# Altium PCB PCB_Raspberry_V4.PcbDoc
Units mm, origin at the board's own origin, x right, y up, seen from the top; angles counter-clockwise.
Board outline 92 x 96 mm, 2 copper layers (Top Layer, Bottom Layer), stack 1.611 mm thick; 81 components, 87 nets, 292 pads, 102 vias.
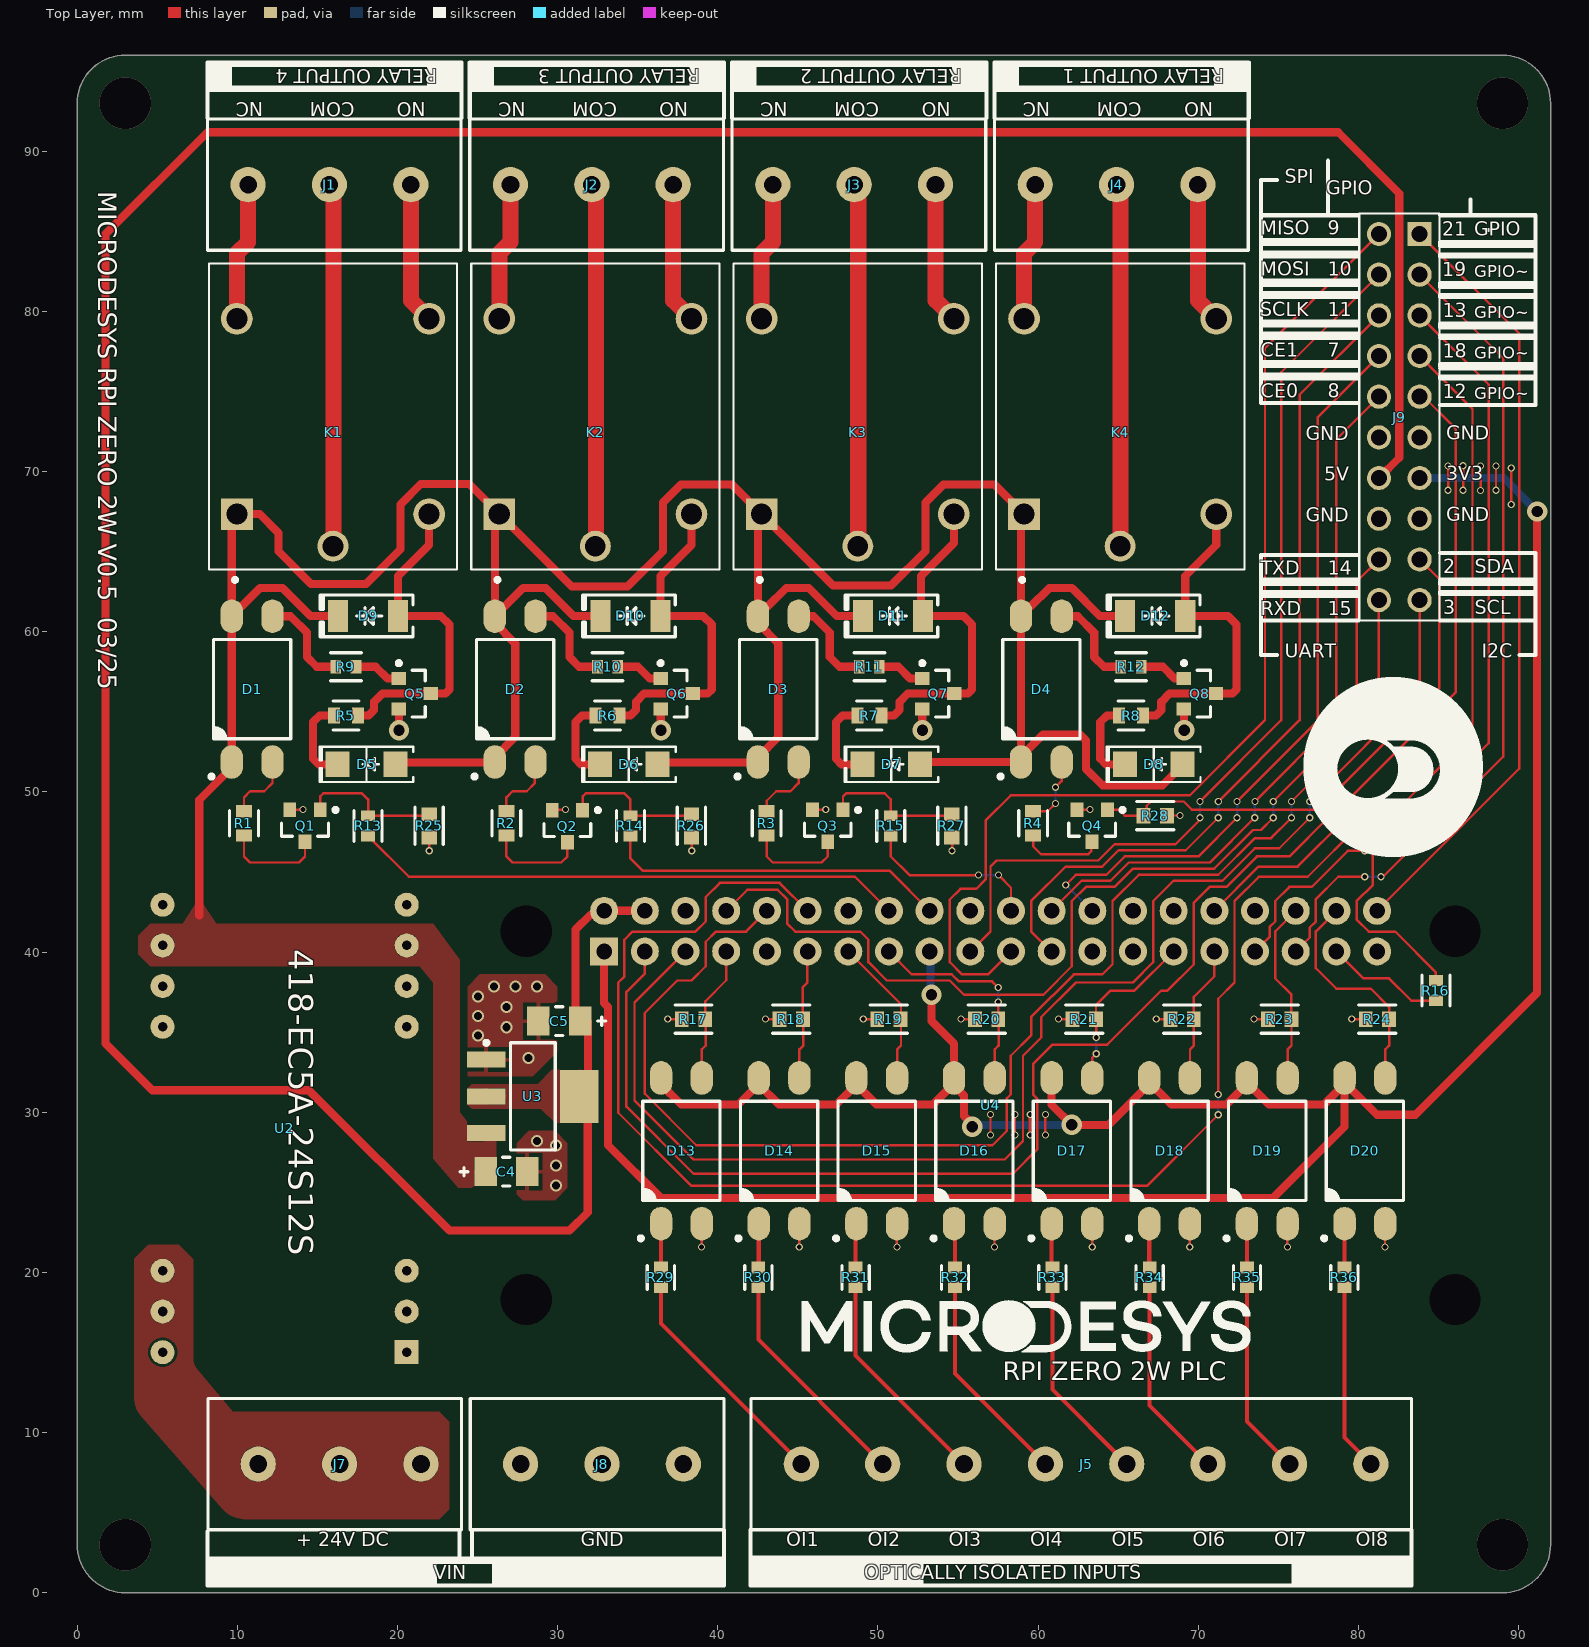
[diagram p0: Top Layer view]
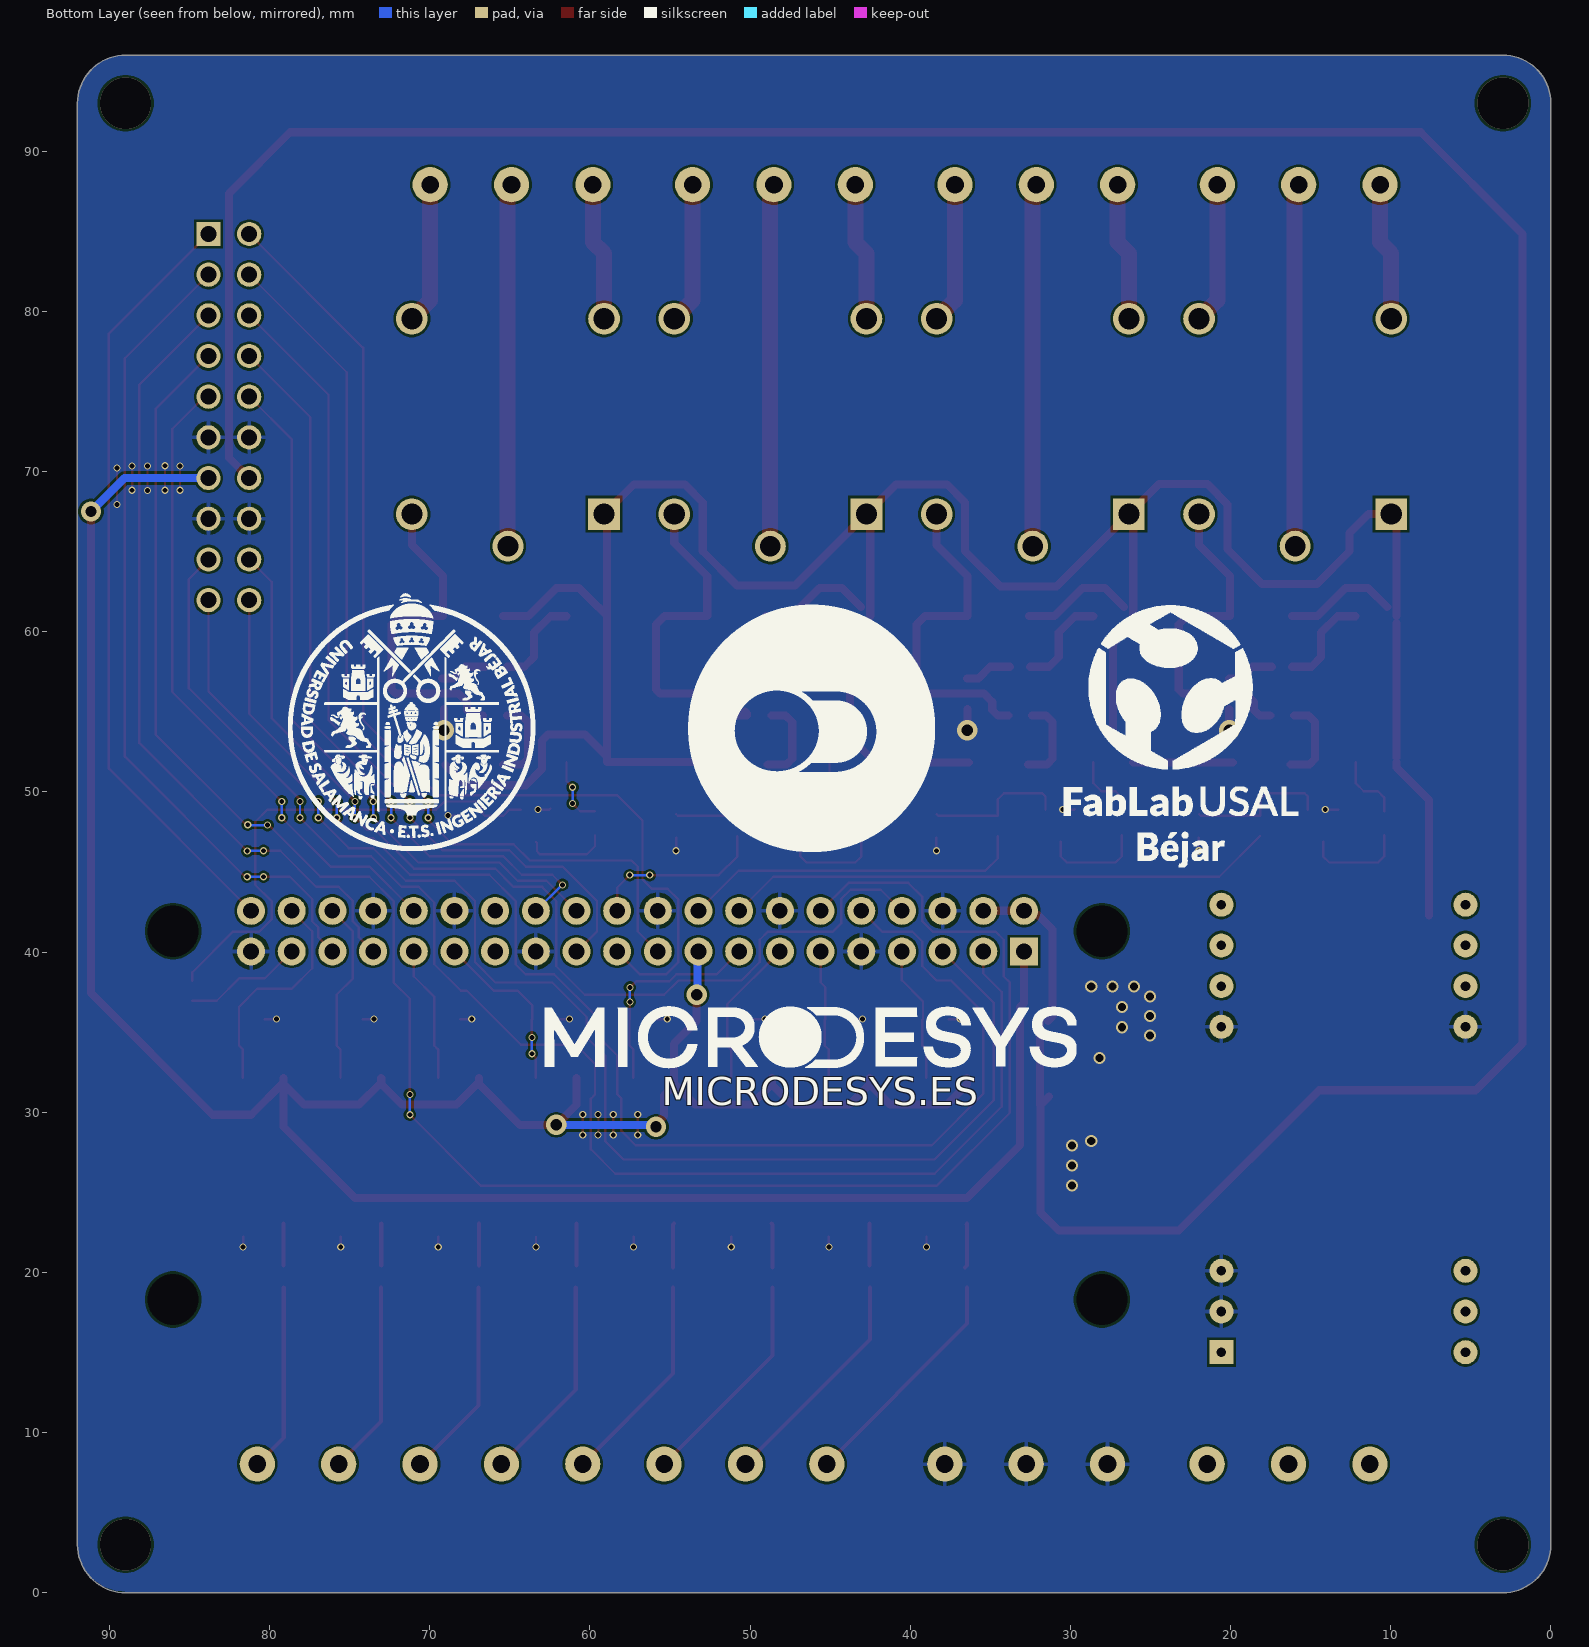
[diagram p1: Bottom Layer view, seen from below]
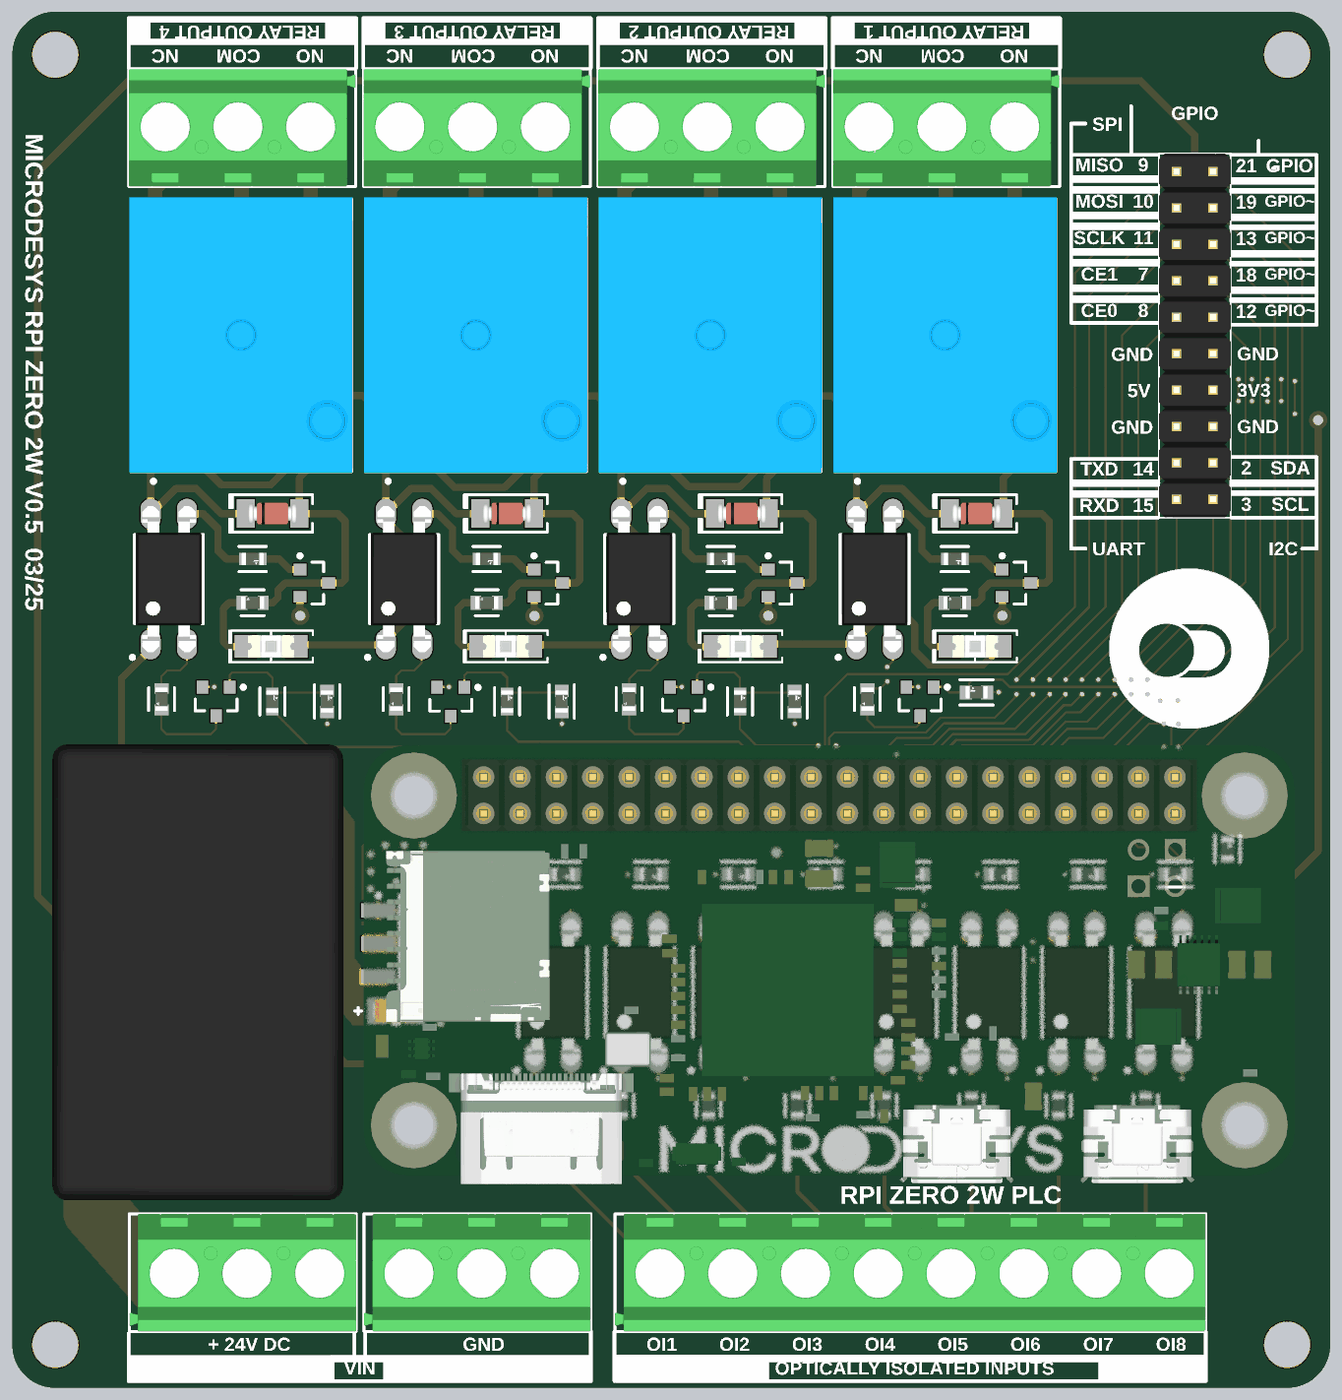
[diagram p2: 3D render of the assembled board from above, using the file's embedded part models]

## Layer stack, top to bottom
Top Solder: solder mask 0.0102, Solder Resist, Dk 3.5
Top Layer: signal copper 0.0356
Dielectric 1: dielectric 1.54, FR-4, Dk 4.8
Bottom Layer: signal copper 0.0356
Bottom Solder: solder mask 0.0102, Solder Resist, Dk 3.5

## Board outline
0,3 ccw(c3,3) 3,0 89,0 ccw(c89,3) 92,3 92,92.912 92,93 ccw(c89,93) 89,96 3,96 ccw(c3,93) 0,93

## Design rules (kind name [scope] priority, off if disabled: settings)
Clearance [All] p1: gap=0.15 ignorepadtopadclearanceinfootprint=FALSE
PolygonConnect PolygonConnect_GND [InNet('GND') vs InNet('GND')] p1: thpad.connectstyle=Relief thpad.reliefconductorwidth=0.254 thpad.reliefentries=4 thpad.polygonreliefangle="90 Angle" thpad.airgapwidth=0.254 smdpad.connectstyle=Relief smdpad.reliefconductorwidth=0.254 smdpad.reliefentries=4 smdpad.polygonreliefangle="90 Angle" smdpad.airgapwidth=0.254 via.connectstyle=Direct via.reliefconductorwidth=0.254 via.reliefentries=4 via.polygonreliefangle="90 Angle" via.airgapwidth=0.254
PolygonConnect PolygonConnect_PWR [InNetClass('PWR_24') vs InNetClass('PWR_24')] p2: connectstyle=Direct reliefconductorwidth=0.254 reliefentries=4 polygonreliefangle="90 Angle" airgapwidth=0.254
PolygonConnect PolygonConnect_Signal [InNetClass('Signal') vs InNetClass('Signal')] p3: connectstyle=Relief reliefconductorwidth=0.152 reliefentries=4 polygonreliefangle="90 Angle" airgapwidth=0.152
RoutingVias RoutingVias_Signal [InNetClass('Signal')] p1: holewidth=0.3 width=0.45 viastyle="Through Hole" minholewidth=0.3 minwidth=0.45 maxholewidth=0.3 maxwidth=0.45
RoutingVias RoutingVias_PWR [All] p2: holewidth=0.711 width=1.27 viastyle="Through Hole" minholewidth=0.711 minwidth=1.27 maxholewidth=0.711 maxwidth=1.27
RoutingVias RoutingVias_PWR_24 [InNetClass('PWR_24')] p3: holewidth=0.711 width=1.27 viastyle="Through Hole" minholewidth=0.711 minwidth=1.27 maxholewidth=0.711 maxwidth=1.27
SolderMaskExpansion [All] p1: expansion=0.102 istentingtop=FALSE
SupplyNets "Schematic Supply Nets_4" [InNet('3V3')] p1: voltage=0.000
SupplyNets "Schematic Supply Nets_3" [InNet('+24V')] p2: voltage=0.000
SupplyNets "Schematic Supply Nets_2" [InNet('+5V')] p3: voltage=0.000
SupplyNets "Schematic Supply Nets_1" [InNet('GND')] p4: voltage=0.000
SupplyNets "Schematic Supply Nets" [InNet('+12V')] p5: voltage=0.000
Width Width_5 [InNet('+5V')] p1: maxlimit=0.508 minlimit=0.508 preferedwidth=0.508
Width Width_3 [InNet('3V3')] p2: maxlimit=0.508 minlimit=0.508 preferedwidth=0.508
Width Width_Signal [InNetClass('Signal')] p3: maxlimit=0.15 minlimit=0.15 preferedwidth=0.15
Width Width_PWR [InNetClass('PWR')] p4: maxlimit=0.254 minlimit=0.254 preferedwidth=0.254
Width Width_PWR_24 [InNetClass('PWR_24')] p5: maxlimit=0.508 minlimit=0.508 preferedwidth=0.508
Width Width_Relay [InNetClass('Relay')] p6: maxlimit=1 minlimit=1 preferedwidth=1
30 further rules are at their usual default settings.

## Classes and differential pairs
net class PWR_24: +12V +24V NetD1_3 NetD2_3 NetD3_3 NetD4_3 NetD5_2 NetD6_2 NetD7_2 NetD8_2 NetD9_1 NetD10_1 NetD11_1 NetD12_1 NetQ5_1 NetQ6_1 NetQ7_1 NetQ8_1
net class PWR: IN1 IN2 IN3 IN4 IN5 IN6 IN7 IN8
net class Relay: COM1 COM2 COM3 COM4 NC1 NC2 NC3 NC4 NO1 NO2 NO3 NO4
net class Signal: CE0 CE1 DI1 DI2 DI3 DI4 DI5 MISO MOSI NetD1_2 NetD2_2 NetD3_2 NetD4_2 NetQ1_1 NetQ2_1 NetQ3_1 NetQ4_1 OI1 OI2 OI3 OI4 OI5 OI6 OI7 OI8 Rele1 Rele2 Rele3 Rele4 RXD SCL SCLK SDA TXD

## Components (designator, comment, footprint, x,y, rotation, side; value= is the part's Value field where it differs from the comment)
C4 "10uF" FP-TAJA-MFG 26.797,26.289 r180 top
C5 "10uF" FP-TAJA-MFG 30.099,35.687 r0 top
D1 "LTV-817S-TA" "LITEON LTV-817" 10.923,56.419 r90 top
D2 "LTV-817S-TA" "LITEON LTV-817" 27.348,56.419 r90 top
D3 "LTV-817S-TA" "LITEON LTV-817" 43.774,56.419 r90 top
D4 "LTV-817S-TA" "LITEON LTV-817" 60.199,56.419 r90 top
D5 "Red" "LED 1206_3216 RED" 18.065,51.72 r180 top
D6 "Red" "LED 1206_3216 RED" 34.448,51.72 r180 top
D7 "Red" "LED 1206_3216 RED" 50.831,51.72 r180 top
D8 "Red" "LED 1206_3216 RED" 67.214,51.72 r180 top
D9 "LL4148" "SOD-80 MiniMELF" 18.162,60.991 r180 top
D10 "LL4148" "SOD-80 MiniMELF" 34.545,60.991 r180 top
D11 "LL4148" "SOD-80 MiniMELF" 50.928,60.991 r180 top
D12 "LL4148" "SOD-80 MiniMELF" 67.311,60.991 r180 top
D13 "LTV-817S-TA" "LITEON LTV-817" 37.73,27.59 r90 top
D14 "LTV-817S-TA" "LITEON LTV-817" 43.826,27.59 r90 top
D15 "LTV-817S-TA" "LITEON LTV-817" 49.922,27.59 r90 top
D16 "LTV-817S-TA" "LITEON LTV-817" 56.018,27.59 r90 top
D17 "LTV-817S-TA" "LITEON LTV-817" 62.114,27.59 r90 top
D18 "LTV-817S-TA" "LITEON LTV-817" 68.21,27.59 r90 top
D19 "LTV-817S-TA" "LITEON LTV-817" 74.306,27.59 r90 top
D20 "LTV-817S-TA" "LITEON LTV-817" 80.402,27.59 r90 top
J1 "282837-3" "TE 282837-3" 15.749,87.915 r0 top
J2 "282837-3" "TE 282837-3" 32.132,87.915 r0 top
J3 "282837-3" "TE 282837-3" 48.514,87.915 r0 top
J4 "282837-3" "TE 282837-3" 64.898,87.915 r0 top
J5 "282837-8" "TE 282837-8" 62.993,8.032 r0 top
J7 "282837-3" "TE 282837-3" 16.384,8.032 r180 top
J8 "282837-3" "TE 282837-3" 32.767,8.032 r180 top
J9 "1-826656-0" TE_1-826656-0 82.55,73.406 r270 top
K1 "SRD-12VDC-SL-C" RELAY_SRD-05VDC-SL-C 15.972,73.442 r90 top
K2 "SRD-12VDC-SL-C" RELAY_SRD-05VDC-SL-C 32.355,73.442 r90 top
K3 "SRD-12VDC-SL-C" RELAY_SRD-05VDC-SL-C 48.738,73.442 r90 top
K4 "SRD-12VDC-SL-C" RELAY_SRD-05VDC-SL-C 65.121,73.442 r90 top
Q1 "SMMBT3904LT1G" ONSC-SOT-23-3-318-08_V 14.224,47.879 r270 top
Q2 "SMMBT3904LT1G" ONSC-SOT-23-3-318-08_V 30.607,47.863 r270 top
Q3 "SMMBT3904LT1G" ONSC-SOT-23-3-318-08_V 46.864,47.879 r270 top
Q4 "SMMBT3904LT1G" ONSC-SOT-23-3-318-08_V 63.373,47.879 r270 top
Q5 "SMMBT3904LT1G" ONSC-SOT-23-3-318-08_V 21.083,56.137 r0 top
Q6 "SMMBT3904LT1G" ONSC-SOT-23-3-318-08_V 37.424,56.137 r0 top
Q7 "SMMBT3904LT1G" ONSC-SOT-23-3-318-08_V 53.764,56.137 r0 top
Q8 "SMMBT3904LT1G" ONSC-SOT-23-3-318-08_V 70.105,56.137 r0 top
R1 "820 Ohm" FP-CRCW0603-HPe3-MFG 10.414,48.043 r270 top
R2 "820 Ohm" FP-CRCW0603-HPe3-MFG 26.797,48.043 r270 top
R3 "820 Ohm" FP-CRCW0603-HPe3-MFG 43.053,48.043 r270 top
R4 "820 Ohm" FP-CRCW0603-HPe3-MFG 59.69,48.043 r270 top
R5 "820 Ohm" FP-CRCW0603-HPe3-MFG 16.777,54.768 r180 top
R6 "820 Ohm" FP-CRCW0603-HPe3-MFG 33.118,54.768 r180 top
R7 "820 Ohm" FP-CRCW0603-HPe3-MFG 49.458,54.768 r180 top
R8 "820 Ohm" FP-CRCW0603-HPe3-MFG 65.799,54.768 r180 top
R9 "1 k" FP-MCT0603-IPC_C 16.777,57.816 r0 top
R10 "1 k" FP-MCT0603-IPC_C 33.118,57.816 r0 top
R11 "1 k" FP-MCT0603-IPC_C 49.458,57.816 r0 top
R12 "1 k" FP-MCT0603-IPC_C 65.799,57.816 r0 top
R13 "1 k" FP-MCT0603-IPC_C 18.161,47.879 r90 top
R14 "1 k" FP-MCT0603-IPC_C 34.544,47.879 r90 top
R15 "1 k" FP-MCT0603-IPC_C 50.8,47.879 r90 top
R16 "1 k" FP-MCT0603-IPC_C 84.836,37.592 r90 top
R17 "10k" FP-MCT0603-IPC_B 38.481,35.814 r0 top
R18 "10k" FP-MCT0603-IPC_B 44.582,35.814 r0 top
R19 "10k" FP-MCT0603-IPC_B 50.682,35.814 r0 top
R20 "10k" FP-MCT0603-IPC_B 56.783,35.814 r0 top
R21 "10k" FP-MCT0603-IPC_B 62.884,35.814 r0 top
R22 "10k" FP-MCT0603-IPC_B 68.984,35.814 r0 top
R23 "10k" FP-MCT0603-IPC_B 75.085,35.814 r0 top
R24 "10k" FP-MCT0603-IPC_B 81.186,35.814 r0 top
R25 "10k" FP-MCT0603-IPC_B 21.971,47.879 r90 top
R26 "10k" FP-MCT0603-IPC_B 38.354,47.879 r90 top
R27 "10k" FP-MCT0603-IPC_B 54.61,47.879 r90 top
R28 "10k" FP-MCT0603-IPC_B 67.31,48.514 r180 top
R29 "1.5K" FP-CRCW0603-e3-IPC_C 36.449,19.685 r270 top
R30 "1.5K" FP-CRCW0603-e3-IPC_C 42.527,19.685 r270 top
R31 "1.5K" FP-CRCW0603-e3-IPC_C 48.605,19.685 r270 top
R32 "1.5K" FP-CRCW0603-e3-IPC_C 54.81,19.685 r270 top
R33 "1.5K" FP-CRCW0603-e3-IPC_C 60.887,19.685 r270 top
R34 "1.5K" FP-CRCW0603-e3-IPC_C 66.965,19.685 r270 top
R35 "1.5K" FP-CRCW0603-e3-IPC_C 73.043,19.685 r270 top
R36 "1.5K" FP-CRCW0603-e3-IPC_C 79.121,19.685 r270 top
U2 "418-EC5A-24S12S" 418-EC5A-24S12S 20.574,15.017 r180 top
U3 "LM1117MP-5.0" MP04A_N 28.448,30.988 r0 top
U4 "Raspberry pi zero 2W" PCBCOMPONENT_1 32.904,40.036 r90 top

## Footprints (in the part's own frame and the unit in brackets; to place one, negate y for a bottom-side part, rotate by r counter-clockwise, add the part's x,y. Pads: shape width x height; smd on the part's side, far side on the other; paste and mask are expansions set on the pad)
418-EC5A-24S12S [mm]
  rect 1.5x1.5 hole 0.6: 1(0,0)
  round 1.5 hole 0.6: 2(0,-2.54) 3(0,-5.08) 9(0,-20.32) 10(0,-22.86) 11(0,-25.4) 12(0,-27.94) 13(15.24,-27.94) 14(15.24,-25.4) 15(15.24,-22.86) 16(15.24,-20.32) 22(15.24,-5.08) 23(15.24,-2.54) 24(15.24,0)
  body extent -2.52,-29.87 17.78,1.93, height 10.2
FP-CRCW0603-e3-IPC_C [mm]
  rect 0.735x0.862 smd paste+0 mask+0: 1(-0.615,0) 2(0.615,0)
  silkscreen extent -0.75,-0.85 0.75,0.85, body extent -1.08,-0.58 1.08,0.58, height 0.25
FP-CRCW0603-HPe3-MFG [mm]
  rect 0.75x1 smd paste+0 mask+0: 1(-0.75,0) 2(0.75,0)
  silkscreen extent -0.8,-0.9 0.8,0.9, body extent -1.22,-0.6 1.22,0.6, height 0.25
FP-MCT0603-IPC_B [mm]
  rect 0.864x0.962 smd paste+0 mask+0: 1(-0.729,0) 2(0.729,0)
  silkscreen extent -1.16,-0.88 1.16,0.88, body extent -1.41,-0.73 1.41,0.73, height 0.25
FP-MCT0603-IPC_C [mm]
  rect 0.664x0.862 smd paste+0 mask+0: 1(-0.629,0) 2(0.629,0)
  silkscreen extent -0.96,-0.87 0.96,0.87, body extent -1.06,-0.58 1.06,0.58, height 0.25
FP-TAJA-MFG [mm]
  rect 1.4x1.8 smd paste+0 mask+0: 1(-1.3,0) 2(1.3,0)
  silkscreen extent -0.23,-0.9 2.9,0.9, body extent -2.1,-1 2.1,1, height 0.25
"LED 1206_3216 RED" [mm] "Chip Diode, 2-Leads, Body 3.13x1.55mm, IPC Medium Density"
  rect 1.5x1.6 smd: 1(-1.8,0) 2(1.8,0)
  silkscreen extent -2.92,-1.1 2.92,1.1, body extent -1.6,-0.8 1.6,0.8, height 0.9
"LITEON LTV-817" [mm] "SOP, 4-Leads, Body 4.60x6.50mm, Pitch 2.54mm, IPC Medium Density"
  oval 2.1x1.4 smd: 1(-4.55,1.27) 2(-4.55,-1.27) 3(4.55,-1.27) 4(4.55,1.27)
  silkscreen extent -5.59,-2.41 3.1,2.66, body extent -5.1,-2.3 5.1,2.3, height 3.85
MP04A_N [mm] "SOT223, 4-Leads, Body 6.5x3.5mm, Pitch 2.3mm, Lead Span 7mm, IPC Medium Density"
  rect 2.4x1 smd: 1(-2.9,2.3) 2(-2.9,0) 3(-2.9,-2.3)
  rect 2.4x3.3 smd: 4(2.9,0)
  silkscreen extent -3.02,-3.35 1.4,3.47, body extent -1.86,-3.35 1.86,3.35, height 1.8
ONSC-SOT-23-3-318-08_V [mm] "SOT23, 3-Leads, Body 2.92x1.3mm, Pitch 0.95mm"
  rect 0.9x0.8 smd: 1(-1,0.95) 2(-1,-0.95) 3(1,0)
  silkscreen extent -1.12,-1.46 0.65,2.03, body extent -0.65,-1.46 0.65,1.46, height 1.11
PCBCOMPONENT_1 [mm]
  rect 1.75x1.75 hole 0.975: 1(0,0)
  round 1.75 hole 0.975: 2(2.54,0) 3(0,-2.54) 4(2.54,-2.54) 5(0,-5.08) 6(2.54,-5.08) 7(0,-7.62) 8(2.54,-7.62) 9(0,-10.16) 10(2.54,-10.16) 11(0,-12.7) 12(2.54,-12.7) 13(0,-15.24) 14(2.54,-15.24) 15(0,-17.78) 16(2.54,-17.78) 17(0,-20.32) 18(2.54,-20.32) 19(0,-22.86) 20(2.54,-22.86) 21(0,-25.4) 22(2.54,-25.4) 23(0,-27.94) 24(2.54,-27.94) 25(0,-30.48) 26(2.54,-30.48) 27(0,-33.02) 28(2.54,-33.02) 29(0,-35.56) 30(2.54,-35.56) 31(0,-38.1) 32(2.54,-38.1) 33(0,-40.64) 34(2.54,-40.64) 35(0,-43.18) 36(2.54,-43.18) 37(0,-45.72) 38(2.54,-45.72) 39(0,-48.26) 40(2.54,-48.26)
  round 3 hole 3.2: 41(-21.73,4.871) 42(1.27,4.871) 43(-21.73,-53.129) 44(1.27,-53.129)
  body extent -25.82,-56.63 4.78,8.37, height 15.65
RELAY_SRD-05VDC-SL-C [mm]
  rect 1.98x1.98 / inner round 1.98 / far side rect 1.98x1.98 hole 1.32: A1(-6.1,6)
  round 1.98 hole 1.32: A2(-6.1,-6) NC(6.1,6) NO(6.1,-6)
  round 1.935 hole 1.29: COM(-8.1,0)
  silkscreen extent -10.3,-7.75 9.55,7.75, body extent -9.6,-7.8 9.6,7.8, height 15.8
"SOD-80 MiniMELF" [mm] "Molded Diode, 2-Leads, Body 3.40x1.50mm, IPC Medium Density"
  rect 1.25x2 smd: 1(-1.875,0) 2(1.875,0)
  silkscreen extent -2.8,-1.3 2.99,1.3, body extent -1.7,-0.75 1.7,0.75, height 1.5
"TE 282837-3" [mm] "Wire to Board Terminal Block Horizontal with Board, 3 Postions, Body 15.84x8.2mm, Pitch 5.08mm"
  round 2.2 hole 1.1: 1(-5.08,0) 2(0,0) 3(5.08,0)
  silkscreen extent -7.62,-4.1 8.22,4.1, body extent -7.62,-4.1 8.22,4.1, height 10.3
"TE 282837-8" [mm] "Wire to Board Terminal Block Horizontal with Board, 8 Postions, Body 41.24x8.2mm, Pitch 5.08mm"
  round 2.2 hole 1.1: 1(-17.78,0) 2(-12.7,0) 3(-7.62,0) 4(-2.54,0) 5(2.54,0) 6(7.62,0) 7(12.7,0) 8(17.78,0)
  silkscreen extent -20.92,-4.1 20.32,4.1, body extent -20.92,-4.1 20.32,4.1, height 10.3
TE_1-826656-0 [mm]
  rect 1.508x1.508 hole 1: 1(-11.43,1.27)
  round 1.508 hole 1: 2(-8.89,1.27) 3(-6.35,1.27) 4(-3.81,1.27) 5(-1.27,1.27) 6(1.27,1.27) 7(3.81,1.27) 8(6.35,1.27) 9(8.89,1.27) 10(11.43,1.27) 11(-11.43,-1.27) 12(-8.89,-1.27) 13(-6.35,-1.27) 14(-3.81,-1.27) 15(-1.27,-1.27) 16(1.27,-1.27) 17(3.81,-1.27) 18(6.35,-1.27) 19(8.89,-1.27) 20(11.43,-1.27)
  silkscreen extent -12.7,-2.5 12.7,2.5, body extent -12.71,-2.5 12.7,2.5, height 10.54
